# Allegro board 038RT-9068CJK8E-A100_0921_1.brd (continued)
## Nets (continued)
SG2_DVDD33: GOLD2.M13(DVDD33[01]) GOLD2.N13(DVDD33[02]) SG2_DVDD33.1(TP) UNK2CG83.1 UNK2CG84.1 UNK2CG85.1 UNK2CG89.1 UNK2CG91.1 UNK2CG92.1 UNK2CG100.1 UNK2CG142.1 UNK2RG42.1
SG2_FE_LED0: GOLD2.N15(FE_LED0) SG2_FE_LED0.1(TP)
SG2_FE_LED1: GOLD2.P15(FE_LED1) SG2_FE_LED1.1(TP)
SG2_GPIO_VDDIO: GOLD2.L7(GPIO0_VDDIO) GOLD2.M9(GPIO1_VDDIO) GOLD2.R6(MAC_VDDIO[01]) GOLD2.R15(SPI_VDDIO) GOLD2.T6(MAC_VDDIO[02]) SG2_GPIO_VDDIO.1(TP) UNK2CG108.1 UNK2CG127.1 UNK2CG128.1 UNK2CG129.1 UNK2CG130.1 UNK2CG131.1 UNK2CG132.1 UNK2CG133.1 UNK2CG134.1 UNK2CG143.1 UNK2RG64.1
SG2_GPIOA_0: GOLD2.L1(GPIOA_0) SG2_GPIOA_0.1(TP)
SG2_GPIOA_1: GOLD2.M1(GPIOA_1) UNK2R348.1 UNK2RG21.1
SG2_GPIOA_2: GOLD2.N1(GPIOA_2) UNK2R347.1 UNK2RG22.1
SG2_GPIOA_3: GOLD2.P1(GPIOA_3) SG2_GPIOA3.1(TP) UNK2R60.1 UNK2R552.2
SG2_GPIOB_0: GOLD2.L2(GPIOB_0) UNK2R61.1 UNK2R264.1
SG2_GPIOB_1: GOLD2.M2(GPIOB_1) UNK2R62.1 UNK2R263.1
SG2_GPIOB_2: GOLD2.N2(GPIOB_2) UNK2R553.1
SG2_GPIOC_0: GOLD2.L4(GPIOC_0) UNK2R63.1 UNK2R568.1
SG2_GPIOC_1: GOLD2.L5(GPIOC_1) UNK2R64.1 UNK2R569.1
SG2_GPIOC_2: GOLD2.M4(GPIOC_2) UNK2R66.1 UNK2R570.1
SG2_GPIOC_3: GOLD2.M5(GPIOC_3) UNK2R68.1 UNK2R571.1
SG2_GPIOC_4: GOLD2.N4(GPIOC_4) UNK2R67.1 UNK2R572.1
SG2_GPIOC_5: GOLD2.N5(GPIOC_5) UNK2R554.1 UNK2R573.1
SG2_GPIOD_0: GOLD2.P4(GPIOD_0) UNK2R555.1
SG2_GPIOD_1: GOLD2.P5(GPIOD_1) UNK2R556.1
SG2_GPIOD_2: GOLD2.R9(GPIOD_2) UNK2R557.1
SG2_GPIOE_0: GOLD2.R7(GPIOE_0) UNK2R558.1
SG2_GPIOE_1: GOLD2.R8(GPIOE_1) UNK2R559.1
SG2_GPIOE_2: GOLD2.N7(GPIOE_2) UNK2R560.1
SG2_GPIOE_3: GOLD2.M7(GPIOE_3) UNK2R561.1
SG2_GPIOE_4: GOLD2.N8(GPIOE_4) UNK2R562.1
SG2_GPIOF_0: GOLD2.M8(GPIOF_0) UNK2R563.1 UNK2R577.1
SG2_GPIOF_1: GOLD2.L8(GPIOF_1) UNK2R564.1 UNK2R576.1
SG2_GPIOF_2: GOLD2.K8(GPIOF_2) UNK2R565.1 UNK2R575.1
SG2_GPIOF_3: GOLD2.J8(GPIOF_3) UNK2R566.1 UNK2R574.1
SG2_GPIOF_4: GOLD2.N9(GPIOF_4) UNK2R567.1
SG2_HL_P1_TXD0: UNK2K225.2 UNK2RRG51.1 UNK2RRG52.1
SG2_HL_P1_TXD1: UNK2K225.7 UNK2RRG53.1 UNK2RRG54.1
SG2_HL_P1_TXD2: UNK2K226.2 UNK2RRG55.1 UNK2RRG56.1
SG2_HL_P1_TXD3: UNK2K226.7 UNK2RRG57.1 UNK2RRG58.1
SG2_HL_P5_TXD0: UNK2K227.2 UNK2RRG91.1 UNK2RRG92.1
SG2_HL_P5_TXD1: UNK2K227.7 UNK2RRG93.1 UNK2RRG94.1
SG2_HL_P5_TXD2: UNK2K228.2 UNK2RRG95.1 UNK2RRG96.1
SG2_HOLD: GOLD2.N16(SPI_SIO3) UNK2RG78.1
SG2_INH: GOLD2.J4(INH) SG2_INH.1(TP) UNK2R24.1
SG2_LDOIN: GOLD2.H12(P5_LDOIN[01]) GOLD2.H13(P1_LDOIN[01]) GOLD2.J7(P0_LDOIN[01]) GOLD2.J12(P5_LDOIN[02]) GOLD2.J13(P1_LDOIN[02]) GOLD2.K7(P0_LDOIN[02]) SG2_LDOIN.1(TP) UNK2CG98.1 UNK2CG99.1 UNK2CG161.1 UNK2CG162.1 UNK2CG163.1 UNK2CG164.1 UNK2CG165.1 UNK2CG166.1 UNK2RG72.1
SG2_MCT1: UNK2R135.1 UNK2T13.2
SG2_MCT2: UNK2R136.1 UNK2T13.7
SG2_MCT_RC: UNK2C119.1 UNK2R135.2 UNK2R136.2
SG2_NGATE: GOLD2.F5(NGATE) UNK2R581.1
SG2_P0_LDOOUT: GOLD2.H7(P0_LDOOUT[01]) GOLD2.H8(P0_LDOOUT[02]) SG2_P0_LDOOUT.1(TP) UNK2CG101.1
SG2_P0_LED: GOLD2.H15(P0_LED) SG2_P0_LED.1(TP)
SG2_P0_MDI+: GOLD2.A3(P0_MDIP) UNK2T2.4
SG2_P0_MDI-: GOLD2.A2(P0_MDIN) UNK2T2.3
SG2_P0_RXC: GOLD2.G1(P0_RXC) SG2_P0_RXC.1(TP) UNK2K181.7
SG2_P0_RXD0: GOLD2.K2(P0_RXD0) SG2_P0_RXD0.1(TP) UNK2K180.7
SG2_P0_RXD1: GOLD2.K1(P0_RXD1) SG2_P0_RXD1.1(TP) UNK2K181.2
SG2_P0_RXD2: GOLD2.J2(P0_RXD2) SG2_P0_RXD2.1(TP) UNK2K182.2
SG2_P0_RXD3: GOLD2.J1(P0_RXD3) SG2_P0_RXD3.1(TP) UNK2K183.2
SG2_P0_RXDV: GOLD2.H2(P0_RXDV) SG2_P0_RXDV.1(TP) UNK2K180.2
SG2_P0_TESTD: GOLD2.G2(P0_TESTD) UNK2RRG49.1
SG2_P0_TXC: GOLD2.E2(P0_TXC) SG2_P0_TXC.1(TP) UNK2K233.2
SG2_P0_TXD0: GOLD2.D2(P0_TXD0) SG2_P0_TXD0.1(TP) UNK2K182.7
SG2_P0_TXD1: GOLD2.D1(P0_TXD1) SG2_P0_TXD1.1(TP) UNK2K231.7
SG2_P0_TXD2: GOLD2.C2(P0_TXD2) SG2_P0_TXD2.1(TP) UNK2K233.7
SG2_P0_TXD3: GOLD2.C1(P0_TXD3) SG2_P0_TXD3.1(TP) UNK2K232.2
SG2_P0_TXEN: GOLD2.E1(P0_TXEN) SG2_P0_TXEN.1(TP) UNK2K232.7
SG2_P0_VDDIO: GOLD2.B1(P0_VDDIO[01]) GOLD2.F1(P0_VDDIO[02]) GOLD2.F2(P0_VDDIO[03]) UNK2BDG8.1 UNK2CG104.1 UNK2CG105.1 UNK2CG136.1 UNK2CG137.1 UNK2CG138.1 UNK2CG139.1
SG2_P1_LDOOUT: GOLD2.K13(P1_LDOOUT[01]) GOLD2.L13(P1_LDOOUT[02]) SG2_P1_LDOOUT.1(TP) UNK2CG102.1
SG2_P1_LED: GOLD2.J16(P1_LED) SG2_P1_LED.1(TP)
SG2_P1_MDI+: GOLD2.B4(P1_MDIP) UNK2T3.4
SG2_P1_MDI-: GOLD2.B3(P1_MDIN) UNK2T3.3
SG2_P1_RXC: GOLD2.R18(P1_RXC) SG2_P1_RXC.1(TP) UNK2RR504.2
SG2_P1_RXD0: GOLD2.M18(P1_RXD0) SG2_P1_RXD0.1(TP) UNK2RR500.2
SG2_P1_RXD1: GOLD2.M19(P1_RXD1) SG2_P1_RXD1.1(TP) UNK2RR501.2
SG2_P1_RXD2: GOLD2.N18(P1_RXD2) SG2_P1_RXD2.1(TP) UNK2RR502.2
SG2_P1_RXD3: GOLD2.N19(P1_RXD3) SG2_P1_RXD3.1(TP) UNK2RR503.2
SG2_P1_RXDV: GOLD2.P18(P1_RXDV) SG2_P1_RXDV.1(TP) UNK2RR505.2
SG2_P1_TESTD: GOLD2.U18(P1_TESTD) UNK2RRG59.1
SG2_P1_TXC: GOLD2.T19(P1_TXC) SG2_P1_TXC.1(TP) UNK2RR524.2
SG2_P1_TXD0: GOLD2.V19(P1_TXD0) SG2_P1_TXD0.1(TP) UNK2K225.3
SG2_P1_TXD1: GOLD2.V18(P1_TXD1) SG2_P1_TXD1.1(TP) UNK2K225.6
SG2_P1_TXD2: GOLD2.W18(P1_TXD2) SG2_P1_TXD2.1(TP) UNK2K226.3
SG2_P1_TXD3: GOLD2.V17(P1_TXD3) SG2_P1_TXD3.1(TP) UNK2K226.6
SG2_P1_TXEN: GOLD2.U19(P1_TXEN) SG2_P1_TXEN.1(TP) UNK2RR525.2
SG2_P1_VDDIO: GOLD2.R19(P1_VDDIO[01]) GOLD2.T18(P1_VDDIO[02]) UNK2BDG9.1 UNK2CG106.1 UNK2CG107.1 UNK2CG145.1 UNK2CG146.1 UNK2CG147.1 UNK2CG148.1
SG2_P2_GIGA_MDI+: GOLD2.A16(P2_GIGA_MDIP) UNK2T24.4
SG2_P2_GIGA_MDI-: GOLD2.A15(P2_GIGA_MDIN) UNK2T24.3
SG2_P2_LED: GOLD2.J15(P2_LED) SG2_P2_LED.1(TP)
SG2_P3_GIGA_MDI+: GOLD2.A18(P3_GIGA_MDIP) UNK2T25.4
SG2_P3_GIGA_MDI-: GOLD2.A17(P3_GIGA_MDIN) UNK2T25.3
SG2_P3_LED: GOLD2.K15(P3_LED) SG2_P3_LED.1(TP)
SG2_P4_HSI+: GOLD2.V12(P4_HSIP) UNK2CS64.2
SG2_P4_HSI-: GOLD2.V13(P4_HSIN) UNK2CS63.2
SG2_P4_HSO+: GOLD2.W13(P4_HSOP) UNK2CS62.2
SG2_P4_HSO-: GOLD2.W14(P4_HSON) UNK2CS61.2
SG2_P5_HSI+: GOLD2.V14(P5_HSIP) UNK2CS74.2
SG2_P5_HSI-: GOLD2.V15(P5_HSIN) UNK2CS73.2
SG2_P5_HSO+: GOLD2.W15(P5_HSOP) UNK2CS72.2
SG2_P5_HSO-: GOLD2.W16(P5_HSON) UNK2CS71.2
SG2_P5_LDOOUT: GOLD2.K12(P5_LDOOUT[01]) GOLD2.L12(P5_LDOOUT[02]) SG2_P5_LDOOUT.1(TP) UNK2CG103.1
SG2_P5_LED: GOLD2.L15(P5_LED) SG2_P5_LED.1(TP)
SG2_P5_MDI+: GOLD2.A5(P5_MDIP) UNK2T21.3
SG2_P5_MDI-: GOLD2.A4(P5_MDIN) UNK2T21.4
SG2_P5_RXC: GOLD2.G19(P5_RXC) SG2_P5_RXC.1(TP) UNK2RR904.2
SG2_P5_RXD0: GOLD2.D19(P5_RXD0) SG2_P5_RXD0.1(TP) UNK2RR900.2
SG2_P5_RXD1: GOLD2.E18(P5_RXD1) SG2_P5_RXD1.1(TP) UNK2RR901.2
SG2_P5_RXD2: GOLD2.E19(P5_RXD2) SG2_P5_RXD2.1(TP) UNK2RR902.2
SG2_P5_RXD3: GOLD2.F18(P5_RXD3) SG2_P5_RXD3.1(TP) UNK2RR903.2
SG2_P5_RXDV: GOLD2.F19(P5_RXDV) SG2_P5_RXDV.1(TP) UNK2RR905.2
SG2_P5_TXC: GOLD2.J18(P5_TXC) SG2_P5_TXC.1(TP) UNK2RR924.2
SG2_P5_TXD0: GOLD2.K18(P5_TXD0) SG2_P5_TXD0.1(TP) UNK2K227.3
SG2_P5_TXD1: GOLD2.K19(P5_TXD1) SG2_P5_TXD1.1(TP) UNK2K227.6
SG2_P5_TXD2: GOLD2.L18(P5_TXD2) SG2_P5_TXD2.1(TP) UNK2K228.3
SG2_P5_TXD3: GOLD2.L19(P5_TXD3) SG2_P5_TXD3.1(TP) UNK2RR923.2
SG2_P5_TXEN: GOLD2.J19(P5_TXEN) SG2_P5_TXEN.1(TP) UNK2RR925.2
SG2_P5_VDDIO: GOLD2.D18(P5_VDDIO[01]) GOLD2.H18(P5_VDDIO[02]) GOLD2.H19(P5_VDDIO[03]) UNK2BDG10.1 UNK2CG140.1 UNK2CG141.1 UNK2CG150.1 UNK2CG151.1 UNK2CG152.1
SG2_P6_CLKREQB: GOLD2.U1(P6_CLKREQB) SG2_P6_CLKREQB.1(TP)
SG2_P6_HSI+: GOLD2.W6(P6_HSIP) UNK2CS107.2
SG2_P6_HSI-: GOLD2.W5(P6_HSIN) UNK2CS108.2
SG2_P6_HSO+: GOLD2.W3(P6_HSOP) UNK2CS102.2
SG2_P6_HSO-: GOLD2.W4(P6_HSON) UNK2CS101.2
SG2_P6_ISOLATEB: GOLD2.U2(P6_ISOLATEB) UNK2RSG104.1
SG2_P6_LANWAKEB: GOLD2.T2(P6_LANWAKEB) SG2_P6_LANWAKEB.1(TP)
SG2_P6_LED: GOLD2.M15(P6_LED) SG2_P6_LED.1(TP)
SG2_P6_MDI+: GOLD2.B6(P6_MDIP) UNK2T20.3
SG2_P6_MDI-: GOLD2.B5(P6_MDIN) UNK2T20.4
SG2_P6_PCIE_RESETB: GOLD2.V1(P6_PCIE_RESETB) UNK2RSG105.1
SG2_P6_REFCLK+: GOLD2.V2(P6_REFCLK_P) SG2_P6_REFCLK+.1(TP)
SG2_P6_REFCLK-: GOLD2.V3(P6_REFCLK_N) SG2_P6_REFCLK-.1(TP)
SG2_P7_CLKREQB: GOLD2.R5(P7_CLKREQB) SG2_P7_CLKREQB.1(TP)
SG2_P7_HSI+: GOLD2.W11(P7_HSIP) UNK2CS117.2
SG2_P7_HSI-: GOLD2.W10(P7_HSIN) UNK2CS118.2
SG2_P7_HSO+: GOLD2.W8(P7_HSOP) UNK2CS112.2
SG2_P7_HSO-: GOLD2.W9(P7_HSON) UNK2CS111.2
SG2_P7_ISOLATEB: GOLD2.T4(P7_ISOLATEB) UNK2RSG114.1
SG2_P7_LANWAKEB: GOLD2.R4(P7_LANWAKEB) SG2_P7_LANWAKEB.1(TP)
SG2_P7_PCIE_RESETB: GOLD2.T5(P7_PCIE_RESETB) UNK2RSG115.1
SG2_P7_REFCLK+: GOLD2.V6(P7_REFCLK_P) SG2_P7_REFCLK+.1(TP)
SG2_P7_REFCLK-: GOLD2.V7(P7_REFCLK_N) SG2_P7_REFCLK-.1(TP)
SG2_PGATE: GOLD2.H5(PGATE) UNK2R580.1
SG2_PH_GPIOA_1: SG2_GPIOA1_2.1 UNK2RD180.2 UNK2RG21.2
SG2_PH_GPIOA_2: SG2_GPIOA1_2.3 UNK2RD181.2 UNK2RG22.2
SG2_RESETB: GOLD2.T1(RESETB) UNK2R70.1 UNK2R584.1
SG2_RSET: GOLD2.A10(RSET) UNK2R69.1
SG2_RTT: GOLD2.D11(RTT_CKDIG) UNK2R56.1
SG2_SPI_CSB: GOLD2.L16(SPI_CSB) UNK2RG73.1
SG2_SPI_SCK: GOLD2.P16(SPI_SCK) UNK2RG75.1
SG2_SPI_SI: GOLD2.R16(SPI_SIO0) UNK2RG76.1
SG2_SPI_SO: GOLD2.M16(SPI_SIO1) UNK2RG74.1
SG2_SRC_DVDD09: S2_DPS_AVDD09.2 S2_DPS_DVDD09.2 UNK2BDG1.2 UNK2BDG2.2 UNK2BDG19.2 UNK2BDG20.2 UNK2CG20.1 UNK2CG21.1 UNK2CG22.1 UNK2CG23.1 UNK2CG24.1 UNK2CG25.1 UNK2CG45.1 UNK2CG46.1 UNK2CG47.1 UNK2CG48.1 UNK2CG49.1 UNK2CG50.1 UNK2CG109.1 UNK2CG110.1 UNK2CG169.1 UNK2CG170.1 UNK2CG171.1 UNK2CG172.1 UNK2CG173.1 UNK2CG174.1 UNK2CG178.1 UNK2CG179.1 UNK2CS3.1 UNK2CS4.1 UNK2RS7.2
SG2_SRC_DVDD33: S2_DPS_AVDD33.2 S2_DPS_DVDD33.2 S2_DPS_GPIO_P015.2 S2_DPS_LDOIN.2 UNK2BDG5.2 UNK2BDG8.2 UNK2BDG9.2 UNK2BDG10.2 UNK2C18.1 UNK2C19.1 UNK2C292.1 UNK2CG74.1 UNK2CG75.1 UNK2CG76.1 UNK2CG77.1 UNK2CG78.1 UNK2CG79.1 UNK2CG93.1 UNK2CG94.1 UNK2CG95.1 UNK2CG97.1 UNK2CG111.1 UNK2CG112.1 UNK2CG113.1 UNK2CG115.1 UNK2CG116.1 UNK2CG117.1 UNK2CG118.1 UNK2CG119.1 UNK2CG120.1 UNK2CG121.1 UNK2CG122.1 UNK2CG123.1 UNK2CG124.1 UNK2CG125.1 UNK2CG126.1 UNK2CG135.1 UNK2CG144.1 UNK2CG149.1 UNK2CG154.1 UNK2CG155.1 UNK2CG156.1 UNK2CG158.1 UNK2CG159.1 UNK2CG167.1 UNK2CG180.1 UNK2CG181.1 UNK2CG182.1 UNK2CG183.1 UNK2R45.2 UNK2R46.2 UNK2R60.2 UNK2R61.2 UNK2R63.2 UNK2R64.2 UNK2R66.2 UNK2R67.2 UNK2R68.2 UNK2R70.2 UNK2R71.2 UNK2R263.2 UNK2R342.2 UNK2R344.2 UNK2R350.1 UNK2R351.2 UNK2R554.2 UNK2R563.2 UNK2R564.2 UNK2R565.2 UNK2R566.2 UNK2R586.2 UNK2RG32.2 UNK2RG42.2 UNK2RG64.2 UNK2RG72.2 UNK2RS104.1 UNK2RS114.1
SG2_SWR09_OFFLINE: UNK2CS2.1 UNK2LX1.2 UNK2RB7.1 UNK2RS7.1
SG2_TAPSL0: GOLD2.P2(TAPSL0) UNK2R45.1 UNK2R281.1
SG2_TAPSL1: GOLD2.R2(TAPSL1) UNK2R46.1 UNK2R282.1
SG2_TCT: UNK2C324.1 UNK2T13.10 UNK2T13.15
SG2_U1_FE_MDI+: GOLD2.B8(FE_MDIPA) UNK2T13.11
SG2_U1_FE_MDI-: GOLD2.B7(FE_MDINA) UNK2T13.9
SG2_U1_FE_MDIX+: GOLD2.A7(FE_MDIPB) UNK2T13.16
SG2_U1_FE_MDIX-: GOLD2.A6(FE_MDINB) UNK2T13.14
SG2_U2_FE_MDI+: UNK2T13.6 UNK2U6.27
SG2_U2_FE_MDI-: UNK2T13.8 UNK2U6.28
SG2_U2_FE_MDIX+: UNK2T13.1 UNK2U6.21
SG2_U2_FE_MDIX-: UNK2T13.3 UNK2U6.22
SG2_U3_FE_MDI+: UNK2CON3.1 UNK2U6.39
SG2_U3_FE_MDI-: UNK2CON3.2 UNK2U6.38
SG2_U3_FE_MDIX+: UNK2CON3.3 UNK2U6.45
SG2_U3_FE_MDIX-: UNK2CON3.6 UNK2U6.44
SG2_U4_GIGA_MDI+: UNK2GPHY2.1 UNK2K145.3
SG2_U4_GIGA_MDI-: UNK2GPHY2.2 UNK2K145.2
SG2_VBAT: GOLD2.G7(VBAT) SG2_VBAT.1(TP) UNK2CG326.1 UNK2CG327.1 UNK2RG1.1
SG2_VDC: S2_PH_VBAT.2 SG2_VDC.1(TP) UNK2C13.1 UNK2R18.1
SG2_VO09: GOLD2.G4(VO09) UNK2R583.1
SG2_VSENSE: GOLD2.F4(VSENSE) UNK2R582.1
SG2_WAKE: GOLD2.K4(WAKE) UNK2R26.1
SG2_WP: GOLD2.K16(SPI_SIO2) UNK2RG77.1
SG3_1_P0_MDI+: UNK3C180.1 UNK3T2.1
SG3_1_P0_MDI-: UNK3C179.1 UNK3T2.2
SG3_1_P1_MDI+: UNK3C184.1 UNK3T3.1
SG3_1_P1_MDI-: UNK3C183.1 UNK3T3.2
SG3_1_P1_TXD0: UNK3K225.4 UNK3RR520.2
SG3_1_P1_TXD1: UNK3K225.5 UNK3RR521.2
SG3_1_P1_TXD2: UNK3K226.4 UNK3RR522.2
SG3_1_P1_TXD3: UNK3K226.5 UNK3RR523.2
SG3_1_P2_GIGA_MDI+: UNK3C422.1 UNK3T24.1
SG3_1_P2_GIGA_MDI-: UNK3C421.1 UNK3T24.2
SG3_1_P3_GIGA_MDI+: UNK3C431.1 UNK3T25.1
SG3_1_P3_GIGA_MDI-: UNK3C430.1 UNK3T25.2
SG3_1_P5_MDI+: UNK3C401.1 UNK3T21.2
SG3_1_P5_MDI-: UNK3C405.1 UNK3T21.1
SG3_1_P5_TXD0: UNK3K227.4 UNK3RR920.2
SG3_1_P5_TXD1: UNK3K227.5 UNK3RR921.2
SG3_1_P5_TXD2: UNK3K228.4 UNK3RR922.2
SG3_1_P6_MDI+: UNK3C407.1 UNK3T20.2
SG3_1_P6_MDI-: UNK3C402.1 UNK3T20.1
SG3_2_P0_MDI+: UNK3C180.2 UNK3R139.1 UNK3U18.6
SG3_2_P0_MDI-: UNK3C179.2 UNK3R140.1 UNK3U18.7
SG3_2_P0_RC: UNK3C181.1 UNK3R6.1 UNK3R139.2 UNK3R140.2
SG3_2_P1_MDI+: UNK3C184.2 UNK3R141.1 UNK3U18.12
SG3_2_P1_MDI-: UNK3C183.2 UNK3R142.1 UNK3U18.13
SG3_2_P1_RC: UNK3C182.1 UNK3R7.1 UNK3R141.2 UNK3R142.2
SG3_2_P2_GIGA_MDI+: UNK3C422.2 UNK3K144.15 UNK3R517.1
SG3_2_P2_GIGA_MDI-: UNK3C421.2 UNK3K144.16 UNK3R518.1
SG3_2_P2_RC: UNK3C427.1 UNK3R517.2 UNK3R518.2 UNK3R519.1
SG3_2_P3_GIGA_MDI+: UNK3C431.2 UNK3K144.6 UNK3R536.1
SG3_2_P3_GIGA_MDI-: UNK3C430.2 UNK3K144.7 UNK3R537.1
SG3_2_P3_RC: UNK3C436.1 UNK3R536.2 UNK3R537.2 UNK3R538.1
SG3_2_P5_MDI+: UNK3C401.2 UNK3R474.1 UNK3U18.18
SG3_2_P5_MDI-: UNK3C405.2 UNK3R470.1 UNK3U18.19
SG3_2_P5_RC: UNK3C406.1 UNK3R9.1 UNK3R470.2 UNK3R474.2
SG3_2_P6_MDI+: UNK3C407.2 UNK3R475.1 UNK3U18.21
SG3_2_P6_MDI-: UNK3C402.2 UNK3R473.1 UNK3U18.22
SG3_2_P6_RC: UNK3C399.1 UNK3R19.1 UNK3R473.2 UNK3R475.2
SG3_3_P2_GIGA_MDI+: UNK3K144.27 UNK3K145.33
SG3_3_P2_GIGA_MDI-: UNK3K144.26 UNK3K145.34
SG3_3_P3_GIGA_MDI+: UNK3K144.36 UNK3K145.37
SG3_3_P3_GIGA_MDI-: UNK3K144.35 UNK3K145.38
SG3_3PI_P0_MDI+: UNK3MQS1.6 UNK3U18.61
SG3_3PI_P0_MDI-: UNK3MQS1.7 UNK3U18.60
SG3_3PI_P1_MDI+: UNK3MQS1.15 UNK3U18.55
SG3_3PI_P1_MDI-: UNK3MQS1.16 UNK3U18.54
SG3_3PI_P5_MDI+: UNK3MQS1.8 UNK3U18.49
SG3_3PI_P5_MDI-: UNK3MQS1.9 UNK3U18.48
SG3_3PI_P6_MDI+: UNK3MQS1.17 UNK3U18.45
SG3_3PI_P6_MDI-: UNK3MQS1.18 UNK3U18.44
SG3_AT+: GOLD3.B15(ATP) UNK3R579.1
SG3_AT-: GOLD3.B16(ATN) UNK3R578.1
SG3_AVDD09: GOLD3.A8(AVDD09_FE[01]) GOLD3.D8(AVDD09_FE[02]) GOLD3.D15(AVDD09_MCK[01]) GOLD3.D16(AVDD09_GIGA[01]) GOLD3.E4(AVDD09[01]) GOLD3.E5(AVDD09[02]) GOLD3.E15(AVDD09_MCK[02]) GOLD3.E16(AVDD09_GIGA[02]) GOLD3.T13(AVDD09_SGMII[01]) GOLD3.T14(AVDD09_SGMII[02]) GOLD3.V4(AVDD09_RX[01]) GOLD3.V5(AVDD09_RX[02]) GOLD3.V8(AVDD09_CMU[01]) GOLD3.V9(AVDD09_CMU[02]) GOLD3.V10(AVDD09_TX[01]) GOLD3.V11(AVDD09_TX[02]) SG3_AVDD09.1(TP) UNK3BDG2.1 UNK3CG26.1 UNK3CG27.1 UNK3CG28.1 UNK3CG29.1 UNK3CG30.1 UNK3CG31.1 UNK3CG32.1 UNK3CG33.1 UNK3CG34.1 UNK3CG35.1 UNK3CG36.1 UNK3CG37.1 UNK3CG38.1 UNK3CG39.1 UNK3CG40.1 UNK3CG41.1 UNK3CG42.1 UNK3CG43.1 UNK3CG44.1 UNK3CG82.1 UNK3CG86.1
SG3_AVDD33: GOLD3.B12(AVDD33_XTAL[01]) GOLD3.B13(AVDD33_XTAL[02]) GOLD3.B14(AVDD33_CEN) GOLD3.B17(AVDD33_MCK[01]) GOLD3.B18(AVDD33_MCK[02]) GOLD3.D4(AVDD33[01]) GOLD3.D5(AVDD33[02]) GOLD3.D6(AVDD33_DIG[01]) GOLD3.D7(AVDD33_FE[01]) GOLD3.E6(AVDD33_DIG[02]) GOLD3.E7(AVDD33_FE[02]) GOLD3.E11(AVDD33_CKDIG) GOLD3.F15(AVDD33_P2[01]) GOLD3.F16(AVDD33_P3[01]) GOLD3.G5(AVDD33_PCTL) GOLD3.G15(AVDD33_P2[02]) GOLD3.G16(AVDD33_P3[02]) GOLD3.T9(AVDD33_CMU[01]) GOLD3.T10(AVDD33_CMU[02]) GOLD3.T15(AVDD33_SGMII[01]) GOLD3.T16(AVDD33_SGMII[02]) GOLD3.V16(AVDD33_SGMII[03]) SG3_AVDD33.1(TP) UNK3CG51.1 UNK3CG52.1 UNK3CG53.1 UNK3CG54.1 UNK3CG55.1 UNK3CG56.1 UNK3CG57.1 UNK3CG58.1 UNK3CG59.1 UNK3CG60.1 UNK3CG61.1 UNK3CG62.1 UNK3CG63.1 UNK3CG64.1 UNK3CG65.1 UNK3CG66.1 UNK3CG67.1 UNK3CG68.1 UNK3CG69.1 UNK3CG70.1 UNK3CG71.1 UNK3CG72.1 UNK3CG73.1 UNK3CG87.1 UNK3CG88.1 UNK3RG32.1
SG3_AVDD33_MOSFET: GOLD3.J5(AVDD33MOSFET) SG3_AVDD33_MOSFET.1(TP) UNK3BDG5.1 UNK3CG90.1 UNK3CG96.1 UNK3CG114.1
SG3_C_P4_HSI+: UNK3CS64.1 UNK3K184.35
SG3_C_P4_HSI-: UNK3CS63.1 UNK3K184.36
SG3_C_P4_HSO+: UNK3CS62.1 UNK3K184.37
SG3_C_P4_HSO-: UNK3CS61.1 UNK3K184.38
SG3_C_P5_HSI+: UNK3CS74.1 UNK3K184.26
SG3_C_P5_HSI-: UNK3CS73.1 UNK3K184.27
SG3_C_P5_HSO+: UNK3CS72.1 UNK3K184.28
SG3_C_P5_HSO-: UNK3CS71.1 UNK3K184.29
SG3_C_P6_HSI+: UNK3CS107.1 UNK3K217.27
SG3_C_P6_HSI-: UNK3CS108.1 UNK3K217.26
SG3_C_P6_HSO+: UNK3CS102.1 UNK3K214.26
SG3_C_P6_HSO-: UNK3CS101.1 UNK3K214.27
SG3_C_P7_HSI+: UNK3CS117.1 UNK3K217.29
SG3_C_P7_HSI-: UNK3CS118.1 UNK3K217.28
SG3_C_P7_HSO+: UNK3CS112.1 UNK3K214.28
SG3_C_P7_HSO-: UNK3CS111.1 UNK3K214.29
SG3_CKXTAL1: GOLD3.A13(XI) UNK3C75.2 UNK3Y6.3
SG3_CKXTAL2: GOLD3.A12(XO) UNK3C76.2 UNK3Y6.1
SG3_DCH_TDO: GOLD3.H16(TDO) MUX16.5(S4A)
SG3_DISB: GOLD3.R1(DISB) UNK3R71.1
SG3_DVDD09: GOLD3.G8(DVDD09[01]) GOLD3.H9(DVDD09[02]) GOLD3.J9(DVDD09[03]) GOLD3.K9(DVDD09[04]) GOLD3.L9(DVDD09[05]) GOLD3.M10(DVDD09[06]) GOLD3.M11(DVDD09[07]) GOLD3.M12(DVDD09[08]) GOLD3.N10(DVDD09[09]) GOLD3.N11(DVDD09[10]) GOLD3.N12(DVDD09[11]) SG3_DVDD09.1(TP) UNK3BDG1.1 UNK3BDG19.1 UNK3BDG20.1 UNK3CG1.1 UNK3CG2.1 UNK3CG3.1 UNK3CG4.1 UNK3CG5.1 UNK3CG6.1 UNK3CG7.1 UNK3CG8.1 UNK3CG9.1 UNK3CG10.1 UNK3CG11.1 UNK3CG12.1 UNK3CG13.1 UNK3CG14.1 UNK3CG15.1 UNK3CG16.1 UNK3CG17.1 UNK3CG18.1 UNK3CG19.1 UNK3CG80.1 UNK3CG81.1
SG3_DVDD33: GOLD3.M13(DVDD33[01]) GOLD3.N13(DVDD33[02]) SG3_DVDD33.1(TP) UNK3CG83.1 UNK3CG84.1 UNK3CG85.1 UNK3CG89.1 UNK3CG91.1 UNK3CG92.1 UNK3CG100.1 UNK3CG142.1 UNK3RG42.1
SG3_FE_LED0: GOLD3.N15(FE_LED0) SG3_FE_LED0.1(TP)
SG3_FE_LED1: GOLD3.P15(FE_LED1) SG3_FE_LED1.1(TP)
SG3_GPIO_VDDIO: GOLD3.L7(GPIO0_VDDIO) GOLD3.M9(GPIO1_VDDIO) GOLD3.R6(MAC_VDDIO[01]) GOLD3.R15(SPI_VDDIO) GOLD3.T6(MAC_VDDIO[02]) SG3_GPIO_VDDIO.1(TP) UNK3CG108.1 UNK3CG127.1 UNK3CG128.1 UNK3CG129.1 UNK3CG130.1 UNK3CG131.1 UNK3CG132.1 UNK3CG133.1 UNK3CG134.1 UNK3CG143.1 UNK3RG64.1
SG3_GPIOA_0: GOLD3.L1(GPIOA_0) SG3_GPIOA_0.1(TP)
SG3_GPIOA_1: GOLD3.M1(GPIOA_1) UNK3R348.1 UNK3RG21.1
SG3_GPIOA_2: GOLD3.N1(GPIOA_2) UNK3R347.1 UNK3RG22.1
SG3_GPIOA_3: GOLD3.P1(GPIOA_3) SG3_GPIOA3.1(TP) UNK3R60.1 UNK3R552.2
SG3_GPIOB_0: GOLD3.L2(GPIOB_0) UNK3R61.1 UNK3R264.1
SG3_GPIOB_1: GOLD3.M2(GPIOB_1) UNK3R62.1 UNK3R263.1
SG3_GPIOB_2: GOLD3.N2(GPIOB_2) UNK3R553.1
SG3_GPIOC_0: GOLD3.L4(GPIOC_0) UNK3R63.1 UNK3R568.1
SG3_GPIOC_1: GOLD3.L5(GPIOC_1) UNK3R64.1 UNK3R569.1
SG3_GPIOC_2: GOLD3.M4(GPIOC_2) UNK3R66.1 UNK3R570.1
SG3_GPIOC_3: GOLD3.M5(GPIOC_3) UNK3R68.1 UNK3R571.1
SG3_GPIOC_4: GOLD3.N4(GPIOC_4) UNK3R67.1 UNK3R572.1
SG3_GPIOC_5: GOLD3.N5(GPIOC_5) UNK3R554.1 UNK3R573.1
SG3_GPIOD_0: GOLD3.P4(GPIOD_0) UNK3R555.1
SG3_GPIOD_1: GOLD3.P5(GPIOD_1) UNK3R556.1
SG3_GPIOD_2: GOLD3.R9(GPIOD_2) UNK3R557.1
SG3_GPIOE_0: GOLD3.R7(GPIOE_0) UNK3R558.1
SG3_GPIOE_1: GOLD3.R8(GPIOE_1) UNK3R559.1
SG3_GPIOE_2: GOLD3.N7(GPIOE_2) UNK3R560.1
SG3_GPIOE_3: GOLD3.M7(GPIOE_3) UNK3R561.1
SG3_GPIOE_4: GOLD3.N8(GPIOE_4) UNK3R562.1
SG3_GPIOF_0: GOLD3.M8(GPIOF_0) UNK3R563.1 UNK3R577.1
SG3_GPIOF_1: GOLD3.L8(GPIOF_1) UNK3R564.1 UNK3R576.1
SG3_GPIOF_2: GOLD3.K8(GPIOF_2) UNK3R565.1 UNK3R575.1
SG3_GPIOF_3: GOLD3.J8(GPIOF_3) UNK3R566.1 UNK3R574.1
SG3_GPIOF_4: GOLD3.N9(GPIOF_4) UNK3R567.1
SG3_HL_P1_TXD0: UNK3K225.2 UNK3RRG51.1 UNK3RRG52.1
SG3_HL_P1_TXD1: UNK3K225.7 UNK3RRG53.1 UNK3RRG54.1
SG3_HL_P1_TXD2: UNK3K226.2 UNK3RRG55.1 UNK3RRG56.1
SG3_HL_P1_TXD3: UNK3K226.7 UNK3RRG57.1 UNK3RRG58.1
SG3_HL_P5_TXD0: UNK3K227.2 UNK3RRG91.1 UNK3RRG92.1
SG3_HL_P5_TXD1: UNK3K227.7 UNK3RRG93.1 UNK3RRG94.1
SG3_HL_P5_TXD2: UNK3K228.2 UNK3RRG95.1 UNK3RRG96.1
SG3_HOLD: GOLD3.N16(SPI_SIO3) UNK3RG78.1
SG3_INH: GOLD3.J4(INH) SG3_INH.1(TP) UNK3R24.1
SG3_LDOIN: GOLD3.H12(P5_LDOIN[01]) GOLD3.H13(P1_LDOIN[01]) GOLD3.J7(P0_LDOIN[01]) GOLD3.J12(P5_LDOIN[02]) GOLD3.J13(P1_LDOIN[02]) GOLD3.K7(P0_LDOIN[02]) SG3_LDOIN.1(TP) UNK3CG98.1 UNK3CG99.1 UNK3CG161.1 UNK3CG162.1 UNK3CG163.1 UNK3CG164.1 UNK3CG165.1 UNK3CG166.1 UNK3RG72.1
SG3_MCT1: UNK3R135.1 UNK3T13.2
SG3_MCT2: UNK3R136.1 UNK3T13.7
SG3_MCT_RC: UNK3C119.1 UNK3R135.2 UNK3R136.2
SG3_NGATE: GOLD3.F5(NGATE) UNK3R581.1
SG3_P0_LDOOUT: GOLD3.H7(P0_LDOOUT[01]) GOLD3.H8(P0_LDOOUT[02]) SG3_P0_LDOOUT.1(TP) UNK3CG101.1
SG3_P0_LED: GOLD3.H15(P0_LED) SG3_P0_LED.1(TP)
SG3_P0_MDI+: GOLD3.A3(P0_MDIP) UNK3T2.4
SG3_P0_MDI-: GOLD3.A2(P0_MDIN) UNK3T2.3
SG3_P0_RXC: GOLD3.G1(P0_RXC) SG3_P0_RXC.1(TP) UNK3K181.7
SG3_P0_RXD0: GOLD3.K2(P0_RXD0) SG3_P0_RXD0.1(TP) UNK3K180.7
SG3_P0_RXD1: GOLD3.K1(P0_RXD1) SG3_P0_RXD1.1(TP) UNK3K181.2
SG3_P0_RXD2: GOLD3.J2(P0_RXD2) SG3_P0_RXD2.1(TP) UNK3K182.2
SG3_P0_RXD3: GOLD3.J1(P0_RXD3) SG3_P0_RXD3.1(TP) UNK3K183.2
SG3_P0_RXDV: GOLD3.H2(P0_RXDV) SG3_P0_RXDV.1(TP) UNK3K180.2
SG3_P0_TESTD: GOLD3.G2(P0_TESTD) UNK3RRG49.1
SG3_P0_TXC: GOLD3.E2(P0_TXC) SG3_P0_TXC.1(TP) UNK3K233.2
SG3_P0_TXD0: GOLD3.D2(P0_TXD0) SG3_P0_TXD0.1(TP) UNK3K182.7
SG3_P0_TXD1: GOLD3.D1(P0_TXD1) SG3_P0_TXD1.1(TP) UNK3K231.7
SG3_P0_TXD2: GOLD3.C2(P0_TXD2) SG3_P0_TXD2.1(TP) UNK3K233.7
SG3_P0_TXD3: GOLD3.C1(P0_TXD3) SG3_P0_TXD3.1(TP) UNK3K232.2
SG3_P0_TXEN: GOLD3.E1(P0_TXEN) SG3_P0_TXEN.1(TP) UNK3K232.7
SG3_P0_VDDIO: GOLD3.B1(P0_VDDIO[01]) GOLD3.F1(P0_VDDIO[02]) GOLD3.F2(P0_VDDIO[03]) UNK3BDG8.1 UNK3CG104.1 UNK3CG105.1 UNK3CG136.1 UNK3CG137.1 UNK3CG138.1 UNK3CG139.1
SG3_P1_LDOOUT: GOLD3.K13(P1_LDOOUT[01]) GOLD3.L13(P1_LDOOUT[02]) SG3_P1_LDOOUT.1(TP) UNK3CG102.1
SG3_P1_LED: GOLD3.J16(P1_LED) SG3_P1_LED.1(TP)
SG3_P1_MDI+: GOLD3.B4(P1_MDIP) UNK3T3.4
SG3_P1_MDI-: GOLD3.B3(P1_MDIN) UNK3T3.3
SG3_P1_RXC: GOLD3.R18(P1_RXC) SG3_P1_RXC.1(TP) UNK3RR504.2
SG3_P1_RXD0: GOLD3.M18(P1_RXD0) SG3_P1_RXD0.1(TP) UNK3RR500.2
SG3_P1_RXD1: GOLD3.M19(P1_RXD1) SG3_P1_RXD1.1(TP) UNK3RR501.2
SG3_P1_RXD2: GOLD3.N18(P1_RXD2) SG3_P1_RXD2.1(TP) UNK3RR502.2
SG3_P1_RXD3: GOLD3.N19(P1_RXD3) SG3_P1_RXD3.1(TP) UNK3RR503.2
SG3_P1_RXDV: GOLD3.P18(P1_RXDV) SG3_P1_RXDV.1(TP) UNK3RR505.2
SG3_P1_TESTD: GOLD3.U18(P1_TESTD) UNK3RRG59.1
SG3_P1_TXC: GOLD3.T19(P1_TXC) SG3_P1_TXC.1(TP) UNK3RR524.2
SG3_P1_TXD0: GOLD3.V19(P1_TXD0) SG3_P1_TXD0.1(TP) UNK3K225.3
SG3_P1_TXD1: GOLD3.V18(P1_TXD1) SG3_P1_TXD1.1(TP) UNK3K225.6
SG3_P1_TXD2: GOLD3.W18(P1_TXD2) SG3_P1_TXD2.1(TP) UNK3K226.3
SG3_P1_TXD3: GOLD3.V17(P1_TXD3) SG3_P1_TXD3.1(TP) UNK3K226.6
SG3_P1_TXEN: GOLD3.U19(P1_TXEN) SG3_P1_TXEN.1(TP) UNK3RR525.2
SG3_P1_VDDIO: GOLD3.R19(P1_VDDIO[01]) GOLD3.T18(P1_VDDIO[02]) UNK3BDG9.1 UNK3CG106.1 UNK3CG107.1 UNK3CG145.1 UNK3CG146.1 UNK3CG147.1 UNK3CG148.1
SG3_P2_GIGA_MDI+: GOLD3.A16(P2_GIGA_MDIP) UNK3T24.4
SG3_P2_GIGA_MDI-: GOLD3.A15(P2_GIGA_MDIN) UNK3T24.3
SG3_P2_LED: GOLD3.J15(P2_LED) SG3_P2_LED.1(TP)
SG3_P3_GIGA_MDI+: GOLD3.A18(P3_GIGA_MDIP) UNK3T25.4
SG3_P3_GIGA_MDI-: GOLD3.A17(P3_GIGA_MDIN) UNK3T25.3
SG3_P3_LED: GOLD3.K15(P3_LED) SG3_P3_LED.1(TP)
SG3_P4_HSI+: GOLD3.V12(P4_HSIP) UNK3CS64.2
SG3_P4_HSI-: GOLD3.V13(P4_HSIN) UNK3CS63.2
SG3_P4_HSO+: GOLD3.W13(P4_HSOP) UNK3CS62.2
SG3_P4_HSO-: GOLD3.W14(P4_HSON) UNK3CS61.2
SG3_P5_HSI+: GOLD3.V14(P5_HSIP) UNK3CS74.2
SG3_P5_HSI-: GOLD3.V15(P5_HSIN) UNK3CS73.2
SG3_P5_HSO+: GOLD3.W15(P5_HSOP) UNK3CS72.2
SG3_P5_HSO-: GOLD3.W16(P5_HSON) UNK3CS71.2
SG3_P5_LDOOUT: GOLD3.K12(P5_LDOOUT[01]) GOLD3.L12(P5_LDOOUT[02]) SG3_P5_LDOOUT.1(TP) UNK3CG103.1
SG3_P5_LED: GOLD3.L15(P5_LED) SG3_P5_LED.1(TP)
SG3_P5_MDI+: GOLD3.A5(P5_MDIP) UNK3T21.3
SG3_P5_MDI-: GOLD3.A4(P5_MDIN) UNK3T21.4
SG3_P5_RXC: GOLD3.G19(P5_RXC) SG3_P5_RXC.1(TP) UNK3RR904.2
SG3_P5_RXD0: GOLD3.D19(P5_RXD0) SG3_P5_RXD0.1(TP) UNK3RR900.2
SG3_P5_RXD1: GOLD3.E18(P5_RXD1) SG3_P5_RXD1.1(TP) UNK3RR901.2
SG3_P5_RXD2: GOLD3.E19(P5_RXD2) SG3_P5_RXD2.1(TP) UNK3RR902.2
SG3_P5_RXD3: GOLD3.F18(P5_RXD3) SG3_P5_RXD3.1(TP) UNK3RR903.2
SG3_P5_RXDV: GOLD3.F19(P5_RXDV) SG3_P5_RXDV.1(TP) UNK3RR905.2
SG3_P5_TXC: GOLD3.J18(P5_TXC) SG3_P5_TXC.1(TP) UNK3RR924.2
SG3_P5_TXD0: GOLD3.K18(P5_TXD0) SG3_P5_TXD0.1(TP) UNK3K227.3
SG3_P5_TXD1: GOLD3.K19(P5_TXD1) SG3_P5_TXD1.1(TP) UNK3K227.6
SG3_P5_TXD2: GOLD3.L18(P5_TXD2) SG3_P5_TXD2.1(TP) UNK3K228.3
SG3_P5_TXD3: GOLD3.L19(P5_TXD3) SG3_P5_TXD3.1(TP) UNK3RR923.2
SG3_P5_TXEN: GOLD3.J19(P5_TXEN) SG3_P5_TXEN.1(TP) UNK3RR925.2
SG3_P5_VDDIO: GOLD3.D18(P5_VDDIO[01]) GOLD3.H18(P5_VDDIO[02]) GOLD3.H19(P5_VDDIO[03]) UNK3BDG10.1 UNK3CG140.1 UNK3CG141.1 UNK3CG150.1 UNK3CG151.1 UNK3CG152.1
SG3_P6_CLKREQB: GOLD3.U1(P6_CLKREQB) SG3_P6_CLKREQB.1(TP)
SG3_P6_HSI+: GOLD3.W6(P6_HSIP) UNK3CS107.2
SG3_P6_HSI-: GOLD3.W5(P6_HSIN) UNK3CS108.2
SG3_P6_HSO+: GOLD3.W3(P6_HSOP) UNK3CS102.2
SG3_P6_HSO-: GOLD3.W4(P6_HSON) UNK3CS101.2
SG3_P6_ISOLATEB: GOLD3.U2(P6_ISOLATEB) UNK3RSG104.1
SG3_P6_LANWAKEB: GOLD3.T2(P6_LANWAKEB) SG3_P6_LANWAKEB.1(TP)
SG3_P6_LED: GOLD3.M15(P6_LED) SG3_P6_LED.1(TP)
SG3_P6_MDI+: GOLD3.B6(P6_MDIP) UNK3T20.3
SG3_P6_MDI-: GOLD3.B5(P6_MDIN) UNK3T20.4
SG3_P6_PCIE_RESETB: GOLD3.V1(P6_PCIE_RESETB) UNK3RSG105.1
SG3_P6_REFCLK+: GOLD3.V2(P6_REFCLK_P) SG3_P6_REFCLK+.1(TP)
SG3_P6_REFCLK-: GOLD3.V3(P6_REFCLK_N) SG3_P6_REFCLK-.1(TP)
SG3_P7_CLKREQB: GOLD3.R5(P7_CLKREQB) SG3_P7_CLKREQB.1(TP)
SG3_P7_HSI+: GOLD3.W11(P7_HSIP) UNK3CS117.2
SG3_P7_HSI-: GOLD3.W10(P7_HSIN) UNK3CS118.2
SG3_P7_HSO+: GOLD3.W8(P7_HSOP) UNK3CS112.2
SG3_P7_HSO-: GOLD3.W9(P7_HSON) UNK3CS111.2
SG3_P7_ISOLATEB: GOLD3.T4(P7_ISOLATEB) UNK3RSG114.1
SG3_P7_LANWAKEB: GOLD3.R4(P7_LANWAKEB) SG3_P7_LANWAKEB.1(TP)
SG3_P7_PCIE_RESETB: GOLD3.T5(P7_PCIE_RESETB) UNK3RSG115.1
SG3_P7_REFCLK+: GOLD3.V6(P7_REFCLK_P) SG3_P7_REFCLK+.1(TP)
SG3_P7_REFCLK-: GOLD3.V7(P7_REFCLK_N) SG3_P7_REFCLK-.1(TP)
SG3_PGATE: GOLD3.H5(PGATE) UNK3R580.1
SG3_PH_GPIOA_1: SG3_GPIOA1_2.1 UNK3RD180.2 UNK3RG21.2
SG3_PH_GPIOA_2: SG3_GPIOA1_2.3 UNK3RD181.2 UNK3RG22.2
SG3_RESETB: GOLD3.T1(RESETB) UNK3R70.1 UNK3R584.1
SG3_RSET: GOLD3.A10(RSET) UNK3R69.1
SG3_RTT: GOLD3.D11(RTT_CKDIG) UNK3R56.1
SG3_SPI_CSB: GOLD3.L16(SPI_CSB) UNK3RG73.1
SG3_SPI_SCK: GOLD3.P16(SPI_SCK) UNK3RG75.1
SG3_SPI_SI: GOLD3.R16(SPI_SIO0) UNK3RG76.1
SG3_SPI_SO: GOLD3.M16(SPI_SIO1) UNK3RG74.1
SG3_SRC_DVDD09: S3_DPS_AVDD09.2 S3_DPS_DVDD09.2 UNK3BDG1.2 UNK3BDG2.2 UNK3BDG19.2 UNK3BDG20.2 UNK3CG20.1 UNK3CG21.1 UNK3CG22.1 UNK3CG23.1 UNK3CG24.1 UNK3CG25.1 UNK3CG45.1 UNK3CG46.1 UNK3CG47.1 UNK3CG48.1 UNK3CG49.1 UNK3CG50.1 UNK3CG109.1 UNK3CG110.1 UNK3CG169.1 UNK3CG170.1 UNK3CG171.1 UNK3CG172.1 UNK3CG173.1 UNK3CG174.1 UNK3CG178.1 UNK3CG179.1 UNK3CS3.1 UNK3CS4.1 UNK3RS7.2
